# Altium PCB ImmPCB2.PCBDOC (part 2 of 4)
Units mm, origin at the board's own origin, x right, y up, seen from the top; angles counter-clockwise.
Board outline 140.04 x 97 mm, 4 copper layers (Top Layer, InternalPlane1, InternalPlane2, Bottom Layer); 374 components, 334 nets, 1652 pads, 438 vias.
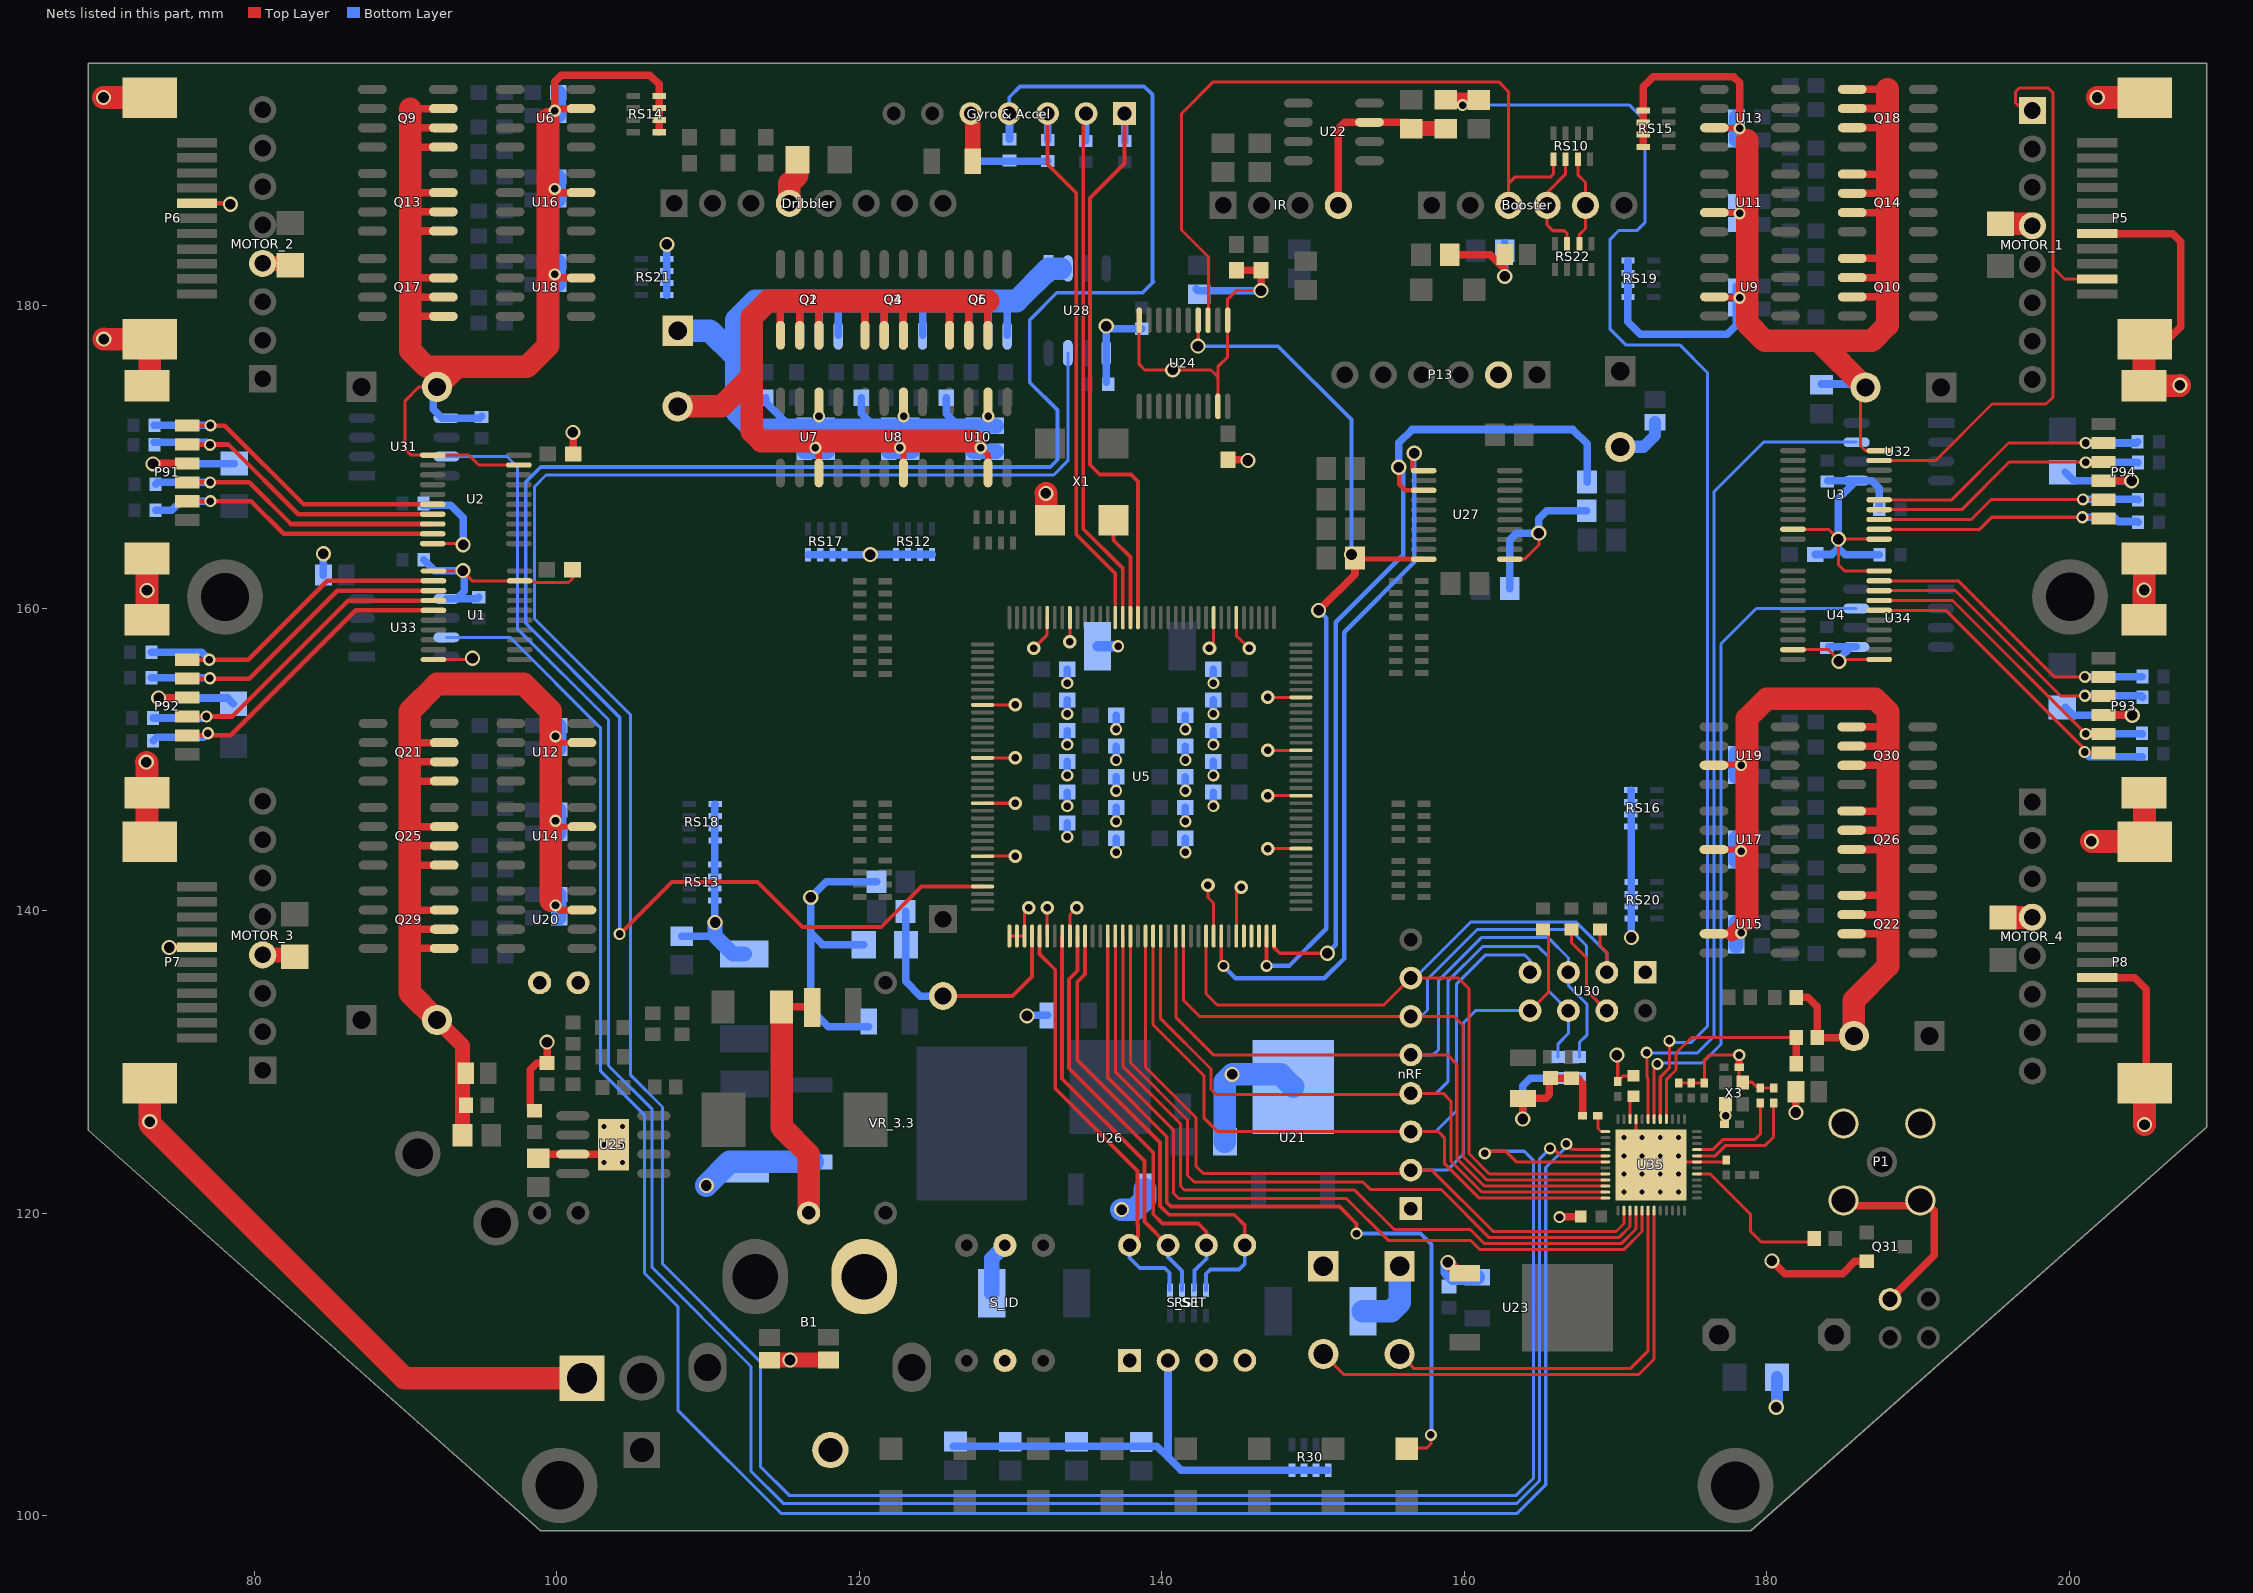
[diagram p4: the nets of this part, all layers, seen from the top]

## Part data
B1: "Power Connector"
Booster P13: library part "Header 6", "Header, 6-Pin"
C1 C2 C3 C5 C6 C7 C9 C63 C65 C66 C67 C68 C69 C70 C71 C72 C81 C110 C120 C125 C130 C_IR: library part CAP, "Capacitor"
C4 C8 C124: library part C0402-100n, "Capacitor, X7R, ±10%"
C10: library part C0603-1µ0, "Capacitor, X7R, ±10%"
C11 C12 C13 C14 C15 C16 C17 C18 C19 C20 C22 C23 C24 C25 C26 C27 C28 C29 C30 C31 C32 C33 C34 C35 C36 C37 C38 C39 C40 C41 C42 C43 C44 C45 C46 C47 C48 C49 C50 C51 C52 C53 C54 C55 C56 C57 C58 C59 C60 C61 C62 C64 C73 C74 C75 C76 C77 C78 C79 C86 C94 C95 C96 C97 C98 C99 C100 C101 C111 C112 C113 C114 C115 C116 C117 C118 C119 C121: library part "Cap Semi", "Capacitor (Semiconductor SIM Model)"
C21: library part C_Dup1
C80 C_1 C_16 C_17 C_19: library part "Cap Pol3", "Polarized Capacitor (Surface Mount)"
C82 C85 C87: library part C0603, "C0603"
C83 C84: library part C1206, "C1206"
C88 C90: library part C, "Cap , SMD"
C89 C91 C92: library part "Cap 0603", "C0603"
C93: library part "Cap 0603", "Cap SMD 0603"
C102 C103 C104 C107: library part C0402-12p, "Capacitor, NP0, ±2%"
C106: library part C0603-4µ7, "Capacitor, X5R, ±10%"
C109: library part C0402-100p, "Capacitor, NP0, ±5%"
C122: library part C0402-N.C., "Not mounted"
C123: library part C0402-0.8p, "Capacitor, NP0, ±5%"
C126 C_DRIBBLER C_M1 C_M2 C_M3 C_M4: library part "Cap Pol1", "Polarized Capacitor (Radial)"
D1 D2 D21 D24 D_D_1 D_D_2 D_D_3 D_D_4 D_Done: library part LED2, "Typical RED, GREEN, YELLOW, AMBER GaAs LED"
D3: library part "Diode SSB44", "1 Amp General Purpose Rectifier"
D4: library part "LED 0603", "LED ,SMD ,0603"
D_correction: library part "Diode 1N4001", "1 Amp General Purpose Rectifier"
Dribbler MOTOR_1 MOTOR_2 MOTOR_3 MOTOR_4: library part "8pin XH"
"Gyro & Accel": library part Gyroscope, "Comp & Gyro"
IR: library part "Header 4", "Header, 4-Pin"
L2: library part "7447714220 WE-PD SMD"
L11: library part L0402-3n9, "High frequency chip inductor ±5%"
MikonaPOW: library part "Header 2", "Right Angle 3.96mm Power pin"
nRF: library part "Header 8", "Header, 8-Pin"
P4: library part Rocker_SW, "I/O Power Switch"
P5 P6 P7 P8: "11-pin Bottom Contact 30W Motor connector"
Q1 Q3 Q5 Q7 Q8 Q11 Q12 Q15 Q16 Q19 Q20 Q23 Q24 Q27 Q28: library part IRF7204, "HEXFET Power MOSFET"
Q2 Q4 Q6 Q9 Q10 Q13 Q14 Q17 Q18 Q21 Q22 Q25 Q26 Q29 Q30: library part IRF7201, "HEXFET Power MOSFET"
Q31: library part MMBT2222ALT1, "Transistor NPN Silicon,SMD"
R1 R2 R21 R24: library part Res2, "Resistor"
R2.5 R10 R11 R12 R13 R14 R15 R16 R17 R18 R22 R26 R27 R31 R32 R33 R34 R40 R41 R42 R44 R47 R48 R49 R50 R51 R52 R55 R59 R60 R61 R62 R65 R66 R67 R68 R71 R72 R73 R74 R77 R78 R79 R80 R83 R84 R85 R86 R89 R90 R91 R92 R93 R127 R128 R129 R130 R135 R136 R137 R138 R139 R140 R141 R142 R143 R144 R145 R146 R147 R149 R150 R155 R156 R157 R158 R159 R333 R341 R342 R343 R345 R346 R_done_led: library part "Res Semi", "Semiconductor Resistor"
R3 R4 R5 R6 R7: library part "Res 0603", "Res 0603"
R8 R9 R19 R20 R23 R25: library part R0603, "Res 0603"
R30: library part "RES 0603x4", "Array resistors"
R122 R(rst): library part Res1, "Resistor"
RS1 RS2 RS3 RS4 RS5 RS6 RS7 RS8 RS9 RS10 RS11 RS12 RS13 RS14 RS15 RS16 RS17 RS18 RS19 RS20 RS21 RS22: library part "Resister Array", "Resistor Array ,SMD"
RST_CAP_1: library part Cap, "Capacitor"
S4 S_D_1 S_D_2: "Switch"
S_ID: library part "Rotary Switch", "Rotary Switch"
S_SET: "DIP Switch"
TP1 TP2 TP4 TP5: "Test Point"
U1 U2 U3 U4 U24: "Octal Buffer/Driver with 3-State Outputs"
U5: "Spartan-3 1.2V FPGA, 97 User I/Os, 144-Pin TQFP, High Performance, Commercial Grade"
U6 U7 U8 U9 U10 U11 U12 U13 U14 U15 U16 U17 U18 U19 U20 U22: library part MAX4427CSA, "Dual High-Speed 1.5A MOSFET Driver"
U21 U26: "500mA, Very Low Drop (0.45V) Voltage Regulator"
U23: library part LD1086, "LD1086DT33 DPAK"
U25: "DC\DC Regulator"
U27: "XCF00S Series, Platform Flash In-System Programmable Configuration 3.3V PROM, 20-Pin TSOP, 4-Megabit, Commercial Grade"
U29: library part my_Buzzer
U35: "Multi-protocol Bluetooth Low Energy, ANT and 2.4GHz proprietary system-on-chip"
VR_3.3: library part LT1585ACM-1.5, "5A Low Dropout Fast Response Positive Fixed Voltage Regulator"
X1: library part QSMO_4200, "QSMO - 4200 SERIES, 40MHz, SURFACE MOUNT CRYSTAL OSCILLATOR"
X3: library part XTAL_SMD2016_32MHz_8pF_General, "XTAL SMD 2016, 32MHz, Cl=8pF, Total Tol: ±40ppm"

## Free pads (board coordinates)
  round 5 hole 3.2: 2(78.08,160.73) 2(100.21,102) 2(177.93,101.99) 2(200.05,160.74)
  round 1.524 hole 0.9: 3(98.882,135.232) 4(101.422,135.232) 5(98.882,120.012) 6(101.422,120.012) 7(116.662,120.012) 8(121.742,120.012) 9(121.742,135.232)

## Via types
v1: diameter 0.8, hole 0.5, Top Layer to Bottom Layer, tented both sides, 205 vias
v2: diameter 1, hole 0.7, Top Layer to Bottom Layer, tented both sides, 103 vias
v3: diameter 1, hole 0.5, Top Layer to Bottom Layer, tented both sides, 60 vias
v4: diameter 0.9, hole 0.5, Top Layer to Bottom Layer, tented both sides, 38 vias
v5: diameter 0.66, hole 0.33, Top Layer to Bottom Layer, tented both sides, 22 vias
v6: diameter 1.5, hole 1, Top Layer to Bottom Layer, tented both sides, 5 vias
v7: diameter 1, hole 0.711, Top Layer to Bottom Layer, tented both sides, 5 vias

## Nets (pads, with @x,y where several pads share a name; then routed paths per layer and width w, separated by ;. In a path a pad name is that pad's centre, name@x,y a point inside that pad or via, vN(x,y) a via of type N, cw(c..) or ccw(c..) an arc to the next point about the centre after c; other vN are vias at no path point)
BOOSTER_READY: Booster.3 RS10.8 U24.3 | length 48.9
  Top Layer w0.2: U24.3@143.09,179.03 143.09,183.21 141.31,184.99 141.31,192.68 143.41,194.78 162.28,194.78 162.942,194.118 162.942,188.082 ; Booster.3@162.942,186.62 162.942,188.082 ; RS10.8@165.91,189.669 165.91,188.7 165.69,188.48 163.34,188.48 162.942,188.082
BT-ADC: R19.1 R20.2 U35.40 | length 14.7
  Top Layer w0.2: U35.40@173.36,126.215 173.36,128.82 174,129.46 174,130.58 175.02,131.6 R20.2@181.94,131.6
  Top Layer w0.5: R19.1@181.94,129.87 R20.2@181.94,131.6
BTN1: S_D_1.2 U35.18 | length 26.6
  Top Layer w0.2: S_D_1.2@155.73,110.69 156.7,109.72 170.97,109.72 172.16,110.91 U35.18@172.16,120.165
BTN2: S_D_2.2 U35.19 | length 32.7
  Top Layer w0.2: S_D_2.2@150.69,110.69 152.06,109.32 171.52,109.32 172.56,110.36 U35.19@172.56,120.165
BUZZER: R23.2 U35.29 | length 10.2
  Top Layer w0.2: U35.29@175.385,122.59 176.273,122.59 178.93,119.933 178.93,118.81 179.66,118.08 R23.2@183.1,118.08
CAP_ADC: R26.1 R27.1 U35.41 | length 89.2
  Top Layer w0.2: U35.41@172.96,126.215 172.96,128.98 172.96,128.986 173.56,129.586 v1@173.56,131.31
  Top Layer w1: R27.1@158.78,193.58 R26.1@160.96,193.58
  Bottom Layer w0.2: v1(159.89,193.24) 170.94,193.24 171.94,192.24 171.94,185.47 171.44,184.97 170.24,184.97 169.65,184.38 169.65,178.42 170.67,177.4 174.24,177.4 176.07,175.57 176.07,132.33 175.03,131.29 v1@173.56,131.29
  other v1: 173.56,131.38
CCLK: R31.1 U5.72 U27.3 | length 59
  Top Layer w0.25: U5.72@147.434,138.319 147.434,137.552 147.806,137.18 v2(150.96,137.18)
  Top Layer w0.3: v2@155.7,169.31 155.7,168.18 156.099,167.781 U27.3@157.318,167.781
  Bottom Layer w0.3: v2(150.96,137.18) 151.51,137.73 151.51,159.07 155.96,163.52 155.96,169.019 v2(155.67,169.31)
  Bottom Layer w0.5: v2(155.67,169.31) 155.67,170.92 156.55,171.8 167.18,171.8 168.12,170.86 R31.1@168.12,168.33
CHARGE_PULSE: Booster.4 RS10.6 RS22.4 | length 7.1
  Top Layer w0.2: RS10.6@166.71,189.669 166.71,188.7 165.482,187.472 Booster.4@165.482,186.62 165.482,185.318 165.86,184.94 166.63,184.94 166.81,184.76 RS22.4@166.81,184.081
CHIP_PULSE: Booster.5 RS10.4 RS22.6 | length 6
  Top Layer w0.2: RS10.4@167.51,189.669 167.51,188.64 168.022,188.128 Booster.5@168.022,186.62 168.022,185.092 167.61,184.68 RS22.6@167.61,184.081
CLK: U5.128 X1.3 | length 8
  Top Layer w0.25: X1.3@136.034,165.018 136.734,165.718 X1.3@136.816,165.8 136.816,164.484 137.934,163.366 U5.128@137.934,159.369
CUR_M1: U32.7 U35.43 | length 56
  Top Layer w0.2: v1@172.11,130.53 172.07,130.49 172.07,128.99 172.16,128.9 U35.43@172.16,126.215
  Bottom Layer w0.2: v1@172.12,130.53 172.16,130.57 175.39,130.57 176.52,131.7 176.52,167.69 179.79,170.96 U32.7@185.93,170.96
  other v1: 172.06,130.61
CUR_M2: U31.7 U35.5 | length 157.5
  Top Layer w0.2: v1(165.67,124.28) 165.89,124.28 166.38,123.79 U35.5@169.335,123.79
  Bottom Layer w0.2: U31.7@92.73,170.01 96.72,170.01 97.41,169.32 97.41,158.63 103.43,152.61 103.43,129.75 106.32,126.86 106.32,116.4 112.86,109.86 112.86,102.94 115.01,100.79 163.46,100.79 164.99,102.32 164.99,123.6 v1(165.67,124.28)
CUR_M3: U33.7 U35.4 | length 146.7
  Top Layer w0.2: v1(166.76,124.58) 167.15,124.19 U35.4@169.335,124.19
  Bottom Layer w0.2: U33.7@92.73,158.06 96.92,158.06 102.89,152.09 102.89,129.41 105.8,126.5 105.8,116.04 108.02,113.82 108.02,106.96 114.83,100.15 163.5,100.15 165.39,102.04 165.39,123.01 166.76,124.38 v1(166.76,124.58)
CUR_M4: U34.7 U35.42 | length 44.8
  Top Layer w0.2: U35.42@172.56,126.215 172.56,129.57 v1@172.86,129.87
  Bottom Layer w0.2: v1@172.87,129.92 175.73,129.92 176.97,131.16 176.97,157.63 179.31,159.97 U34.7@185.91,159.97
  other v1: 172.77,129.87
CUR_MD: U28.7 U35.6 | length 199.2
  Top Layer w0.2: v1@161.53,124.09 162.74,124.09 163.44,123.39 U35.6@169.335,123.39
  Bottom Layer w0.2: U28.7@133.8,176.85 133.8,169.73 132.86,168.79 99.3,168.79 98.55,168.04 98.55,159.28 104.9,152.93 104.9,129.12 107,127.02 107,116.65 113.47,110.18 113.47,103.25 115.38,101.34 163.444,101.34 164.59,102.486 164.59,123.47 163.97,124.09 161.53,124.09 v1@161.28,123.84
  other v1: 161.36,123.95
D_IO1: R(rst).2 RST_CAP_1.2 S4.2 U5.40 | length 16.6
  Top Layer w0.25: S4.2@125.55,134.35 130.14,134.35 131.434,135.644 U5.40@131.434,138.319
  Bottom Layer w0.5: 123.07,139.94 123.07,135.33 124.05,134.35 S4.2@125.55,134.35
D_IO2: RS1.8 S_SET.8 U5.41 | length 28.4
  Top Layer w0.25: U5.41@131.934,138.319 131.934,137.126 132.97,136.09 132.97,128.23 138.41,122.79 138.41,119.254 138.44,119.224 138.44,118.44 S_SET.8@137.88,117.88
  Bottom Layer w0.25: S_SET.8@137.88,117.88 137.88,117.05 138.55,116.38 140.2,116.38 140.52,116.06 140.52,114.931 RS1.8@140.54,114.911
D_IO3: RS1.6 S_SET.7 U5.44 | length 26.7
  Top Layer w0.25: U5.44@133.434,138.319 133.42,138.305 133.42,128.88 138.86,123.44 138.86,119.44 S_SET.7@140.42,117.88
  Bottom Layer w0.25: S_SET.7@140.42,117.88 140.42,117.1 141.34,116.18 RS1.6@141.34,114.911
D_IO4: RS1.4 S_SET.6 U5.46 | length 29.1
  Top Layer w0.25: U5.46@134.434,138.319 134.434,136.024 133.87,135.46 133.87,129.58 139.44,124.01 139.44,119.93 140.06,119.31 142.42,119.31 142.96,118.77 S_SET.6@142.96,117.88
  Bottom Layer w0.25: RS1.4@142.14,114.911 142.18,114.951 142.18,116.2 142.96,116.98 S_SET.6@142.96,117.88
D_IO5: RS1.2 S_SET.5 U5.47 | length 32.9
  Top Layer w0.25: U5.47@134.934,138.319 134.934,135.794 134.42,135.28 134.42,130.13 139.89,124.66 139.89,120.48 140.48,119.89 144.8,119.89 145.5,119.19 S_SET.5@145.5,117.88
  Bottom Layer w0.25: RS1.2@142.94,114.911 142.94,115.99 143.23,116.28 145.12,116.28 145.5,116.66 S_SET.5@145.5,117.88
D_IO6: D_D_4.1 U5.50 | length 53.2
  Top Layer w0.2: D_D_4.1@156.2,104.46 157.51,104.46 157.8,104.75 v1(157.8,105.34)
  Top Layer w0.25: U5.50@136.434,138.319 136.434,128.956 140.34,125.05 140.34,120.7 140.61,120.43 151.75,120.43 152.88,119.3 v1(152.88,118.65)
  Bottom Layer w0.25: v1(152.88,118.65) 157.11,118.65 157.84,117.92 157.84,105.35 v1@157.82,105.33
D_IO7: U5.51 U35.17 | length 53
  Top Layer w0.2: U5.51@136.934,138.319 136.934,129.336 140.79,125.48 140.79,121.3 141.11,120.98 152.19,120.98 154.97,118.2 160.42,118.2 161.04,117.58 170.551,117.58 171.76,118.789 U35.17@171.76,120.165
D_IO8: U5.52 U35.16 | length 51.4
  Top Layer w0.2: U5.52@137.434,138.319 137.434,129.716 141.24,125.91 141.24,121.79 141.51,121.52 152.77,121.52 155.37,118.92 160.4,118.92 161.34,117.98 170.386,117.98 171.36,118.954 U35.16@171.36,120.165
D_IO9: U5.53 U35.15 | length 49.7
  Top Layer w0.2: U5.53@137.934,138.319 137.934,129.936 141.71,126.16 141.71,122.49 142.15,122.05 153.3,122.05 153.78,121.57 158.46,121.57 161.65,118.38 170.22,118.38 170.96,119.12 U35.15@170.96,120.165
D_IO10: nRF.2 R127.2 U5.55 U30.8 U35.14 | length 71.3
  Top Layer w0.2: U5.55@138.934,138.319 138.934,129.646 142.26,126.32 142.26,123.11 142.75,122.62 156.25,122.62 nRF.2@156.47,122.84 157.86,122.84 161.92,118.78 170.03,118.78 170.56,119.31 U35.14@170.56,120.165 ; U30.8@164.35,133.38 165.57,134.6 165.57,138.38 R127.2@165.21,138.74
  Bottom Layer w0.2: nRF.2@156.47,122.84 158.88,122.84 159.96,123.92 159.96,132.59 160.75,133.38 U30.8@164.35,133.38
D_IO11: nRF.3 U5.56 U30.7 U35.12 | length 61.7
  Top Layer w0.2: U5.56@139.434,138.319 139.434,132.456 142.79,129.1 142.79,126.3 143.71,125.38 nRF.3@156.47,125.38 158.3,125.38 158.69,124.99 158.69,123.3 161,120.99 U35.12@169.335,120.99
  Bottom Layer w0.2: nRF.3@156.47,125.38 158.1,125.38 159.5,126.78 159.5,135.16 161.39,137.05 164.02,137.05 164.35,136.72 U30.7@164.35,135.92
D_IO12: nRF.4 R156.1 U5.57 U30.6 U35.11 | length 67.5
  Top Layer w0.2: U5.57@139.934,138.319 139.934,132.856 143.26,129.53 143.26,128.17 143.58,127.85 156.4,127.85 nRF.4@156.47,127.92 158.61,127.92 159.113,127.417 159.113,123.443 161.166,121.39 U35.11@169.335,121.39
  Bottom Layer w0.2: nRF.4@156.47,127.92 158.16,127.92 158.92,128.68 158.92,135.32 161.24,137.64 164.87,137.64 165.57,136.94 165.57,134.69 166.88,133.38 166.88,131.87 166.208,131.198 R156.1@166.208,130.33
D_IO13: nRF.5 R157.1 U5.59 U30.5 U35.10 | length 66.2
  Top Layer w0.2: U5.59@140.934,138.319 140.934,132.946 143.42,130.46 nRF.5@156.47,130.46 158.89,130.46 159.513,129.837 159.513,123.609 161.331,121.79 U35.10@169.335,121.79
  Bottom Layer w0.2: nRF.5@156.47,130.46 157.96,130.46 158.31,130.81 158.31,135.39 161.13,138.21 165.55,138.21 166.89,136.87 U30.5@166.89,135.92 166.89,135.03 168.13,133.79 168.13,131.8 167.608,131.278 R157.1@167.608,130.32
D_IO14: nRF.6 R158.2 U5.60 U30.4 U35.9 | length 68.9
  Top Layer w0.2: U5.60@141.434,138.319 141.434,134.086 142.52,133 nRF.6@156.47,133 159.35,133 159.913,132.437 159.913,123.774 161.497,122.19 U35.9@169.335,122.19 ; R158.2@167.095,138.74 167.095,137.875 168.09,136.88 168.09,134.72 U30.4@169.43,133.38
  Bottom Layer w0.2: nRF.6@156.47,133 157.14,133 157.57,133.43 157.57,135.46 160.85,138.74 167.02,138.74 168.09,137.67 168.09,134.72 U30.4@169.43,133.38
D_IO15: U5.68
D_IO15_1: nRF.7 R128.2 U5.63 U30.3 U35.8 | length 62.6
  Top Layer w0.2: U5.63@142.934,138.319 142.934,134.506 143.68,133.76 154.69,133.76 nRF.7@156.47,135.54 159.6,135.54 160.313,134.827 160.313,123.94 161.663,122.59 U35.8@169.335,122.59 ; R128.2@168.98,138.74 168.98,137.69 169.43,137.24 U30.3@169.43,135.92
  Bottom Layer w0.2: nRF.7@156.47,135.54 156.73,135.54 160.42,139.23 167.41,139.23 169.43,137.21 U30.3@169.43,135.92
D_IO17: U5.69
D_IO18: U5.70
DEC1: C4.1 U35.1 | length 1.4
  Top Layer w0.2: C4.1@168.84,126.44 168.84,125.59 169.04,125.39 U35.1@169.335,125.39
DEC2: C122.2 U35.32 | length 7.8
  Top Layer w0.2: U35.32@175.385,123.79 176.597,123.79 177.287,124.48 179.91,124.48 180.46,125.03 180.46,127.27 C122.2@180.47,127.28
DEC3: C109.1 U35.33 | length 6.7
  Top Layer w0.2: U35.33@175.385,124.19 176.431,124.19 177.121,124.88 179.23,124.88 179.59,125.24 179.59,127.26 C109.1@179.58,127.27
DEC4: C10.2 U35.46 | length 1.6
  Top Layer w0.2: U35.46@170.96,126.215 170.96,127.615 C10.2@171.07,127.725
DIN: U5.65 U27.1 | length 47.9
  Top Layer w0.25: U5.65@143.934,138.319 143.934,136.496 v1(144.09,136.34)
  Top Layer w0.3: v2@156.56,170.09 156.56,169.692 156.57,169.682 156.57,169.21 156.71,169.07 U27.1@157.29,169.07
  Bottom Layer w0.3: v1@144.09,136.32 144.88,135.53 150.76,135.53 152.06,136.83 152.06,158.4 156.7,163.04 v2(156.7,170.23)
DONE: R34.2 U5.71 U24.4 U27.10 | length 60.3
  Top Layer w0.25: v2@142.415,177.325 U24.4@142.415,179.03 ; v1@146.934,136.326 U5.71@146.934,138.319 ; v2(152.55,163.536) R34.2@152.782,163.304
  Top Layer w0.3: R34.2@152.782,163.24 U27.10@157.28,163.24
  Top Layer w0.5: v2(150.38,159.84) 152.782,162.242 152.782,163.24 R34.2@152.782,163.304
  Bottom Layer w0.25: v2(142.4,177.31) 147.7,177.31 152.55,172.46 v2(152.55,163.536)
  Bottom Layer w0.3: v1(146.94,136.34) 148.42,136.34 150.88,138.8 150.88,159.34 v2(150.38,159.84)
DR_12: C19.2 C22.2 C26.2 C27.2 C28.2 C29.2 C_DRIBBLER.1 Q1.1 Q1.2 Q1.3 Q3.1 Q3.2 Q3.3 Q5.1 Q5.2 Q5.3 R129.1 R130.1 R135.1 U7.6 U8.6 U10.6 U28.1 U28.2 | length 78.4
  Bottom Layer w0.5: R129.1@113.83,173.894 113.83,173.596 115.388,172.038 ; Q1.3@116.081,178.031 116.081,180.3 ; Q1.2@117.349,178.031 117.349,180.3 ; Q1.1@118.619,178.031 118.619,180.3 ; R130.1@120.144,173.894 120.144,172.862 120.968,172.038 ; Q3.3@121.659,178.031 121.659,180.3 ; Q3.2@122.927,178.031 122.927,180.3 ; Q3.1@124.197,178.031 124.197,180.3 ; R135.1@125.762,173.894 125.762,172.834 126.558,172.038 ; Q5.3@127.253,178.031 127.253,180.3 ; Q5.2@128.521,178.031 128.521,180.3 ; Q5.1@129.791,178.031 129.791,180.3
  Bottom Layer w1: 112.832,172.038 C29.2@129.07,172.038
  Bottom Layer w1.5: C_DRIBBLER.1@108.01,178.33 110.13,178.33 111.87,176.59 ; 112.832,172.038 111.87,173 111.87,176.59 ; 133.33,182.43 132.54,182.43 130.41,180.3 129.791,180.3 128.521,180.3 127.253,180.3 124.197,180.3 122.927,180.3 121.659,180.3 118.619,180.3 117.349,180.3 116.081,180.3 113.13,180.3 111.87,179.04 111.87,176.59
  other v1: 117.35,172.68 122.94,172.68 128.54,172.68
ENC1_CH_A: C97.2 P94.3 U3.4 | length 19.6
  Top Layer w0.2: U3.4@187.43,166.505 192.895,166.505 196.05,169.66 P94.3@202.27,169.66
  Bottom Layer w0.5: v1(201.09,169.63) 204.52,169.63 C97.2@204.53,169.62
ENC1_CH_B: C95.2 P94.6 U3.2 | length 19
  Top Layer w0.2: U3.2@187.43,165.205 194.075,165.205 194.87,166 v1(200.87,166) 202.18,166 P94.6@202.27,165.91
  Bottom Layer w0.5: v1(200.87,166) 202.97,166 203.25,165.72 204.5,165.72 C95.2@204.54,165.68
ENC1_CH_INV_A: P94.2 R13.1 U3.5 | length 19.9
  Top Layer w0.2: U3.5@187.43,167.155 192.225,167.155 195.98,170.91 v1(201.09,170.91) P94.2@202.27,170.91
  Bottom Layer w0.5: v1(201.09,170.91) 204.43,170.91 R13.1@204.52,171
ENC1_CH_INV_B: P94.5 R11.1 U3.3 | length 19
  Top Layer w0.2: U3.3@187.43,165.855 193.515,165.855 194.82,167.16 P94.5@202.27,167.16
  Bottom Layer w0.5: v1(200.9,167.18) 204.52,167.18 R11.1@204.55,167.15
ENC2_CH_A: C100.2 P91.3 U2.8 | length 21
  Top Layer w0.3: P91.3@75.59,168.31 v1(77.1,168.31) 79.69,168.31 82.445,165.555 U2.8@91.81,165.555
  Bottom Layer w0.5: C100.2@73.49,168.19 73.61,168.31 v1(77.1,168.31)
ENC2_CH_B: C98.2 P91.6 U2.6 | length 22.1
  Top Layer w0.3: P91.6@75.59,172.06 78.07,172.06 83.275,166.855 U2.6@91.81,166.855
  Bottom Layer w0.5: C98.2@73.42,172.07 v1(77.11,172.07)
ENC2_CH_INV_A: P91.2 R16.1 U2.9 | length 21
  Top Layer w0.3: P91.2@75.59,167.06 79.8,167.06 81.955,164.905 U2.9@91.81,164.905
  Bottom Layer w0.5: R16.1@73.49,166.46 74.57,166.46 75.18,167.07 v1(77.11,167.07)
ENC2_CH_INV_B: P91.5 R14.1 U2.7 | length 21.9
  Top Layer w0.3: P91.5@75.59,170.81 78.31,170.81 82.915,166.205 U2.7@91.81,166.205
  Bottom Layer w0.5: R14.1@73.42,170.97 76.9,170.97 v1(77.09,170.78)
ENC3_CH_A: C96.2 P92.3 U1.4 | length 23
  Top Layer w0.3: P92.3@75.59,152.83 v1(76.85,152.83) 78.57,152.83 86.235,160.495 U1.4@91.86,160.495
  Bottom Layer w0.5: C96.2@73.33,152.73 76.75,152.73 v1(76.85,152.83)
ENC3_CH_B: C94.2 P92.6 U1.2 | length 22.5
  Top Layer w0.3: P92.6@75.59,156.58 79.63,156.58 84.845,161.795 U1.2@91.86,161.795
  Bottom Layer w0.5: C94.2@73.21,157.08 76.54,157.08 v1(77.04,156.58)
ENC3_CH_INV_A: P92.2 R12.1 U1.5 | length 23.5
  Top Layer w0.3: P92.2@75.59,151.58 78.47,151.58 86.735,159.845 U1.5@91.86,159.845
  Bottom Layer w0.5: R12.1@73.33,151.22 73.57,151.46 76.69,151.46 v1(76.95,151.72)
ENC3_CH_INV_B: P92.5 R10.1 U1.3 | length 22.6
  Top Layer w0.3: P92.5@75.59,155.33 79.68,155.33 85.495,161.145 U1.3@91.86,161.145
  Bottom Layer w0.5: R10.1@73.21,155.4 77.04,155.4 v1(77.08,155.36)
ENC4_CH_A: C101.2 P93.3 U4.8 | length 21.6
  Top Layer w0.2: U4.8@187.43,161.145 192.475,161.145 199.44,154.18 P93.3@202.27,154.18
  Bottom Layer w0.5: v1(201.03,154.2) 204.75,154.2 C101.2@204.84,154.11
ENC4_CH_B: C99.2 P93.6 U4.6 | length 22.7
  Top Layer w0.2: U4.6@187.43,159.845 191.835,159.845 201.25,150.43 P93.6@202.27,150.43
  Bottom Layer w0.5: v1(201.01,150.48) 201.31,150.18 C99.2@204.81,150.18
ENC4_CH_INV_A: P93.2 R17.1 U4.9 | length 21.3
  Top Layer w0.2: U4.9@187.43,161.795 192.665,161.795 199.03,155.43 P93.2@202.27,155.43
  Bottom Layer w0.5: v1(201.03,155.45) 204.81,155.45 R17.1@204.83,155.47
ENC4_CH_INV_B: P93.5 R15.1 U4.7 | length 22.2
  Top Layer w0.2: U4.7@187.43,160.495 192.275,160.495 v1(201.09,151.68) P93.5@202.27,151.68
  Bottom Layer w0.5: v1(201.09,151.68) 204.8,151.68 R15.1@204.81,151.67
GND: "Gyro & Accel.5" B1.2 C1.2 C2.2 C3.2 C4.2 C5.2 C6.2 C7.2 C8.2 C9.2 C10.1 C11.1 C12.1 C13.1 C14.1 C15.1 C16.1 C17.1 C18.1 C19.1 C20.2 C21.2 C22.1 C23.1 C24.1 C25.1 C26.1 C27.1 C28.1 C29.1 C30.1 C31.1 C32.1 C33.1 C34.1 C35.1 C36.1 C37.1 C38.1 C39.1 C40.1 C41.1 C42.1 C43.1 C44.1 C45.1 C46.1 C47.1 C48.1 C49.1 C50.1 C51.1 C52.1 C53.1 C54.1 C55.1 C56.1 C57.1 C58.1 C59.1 C60.1 C61.1 C62.1 C63.2 C64.1 C65.2 C66.2 C67.2 C68.2 C69.2 C70.2 C71.2 C72.2 C73.1 C74.1 C75.1 C76.1 C77.1 C78.1 C79.1 C80.2 C81.2 C82.1 C83.1 C84.1 C85.1 C86.1 C87.1 C88.2 C89.2 C90.2 C102.2 C103.2 C104.2 C106.2 C107.2 C109.2 C110.2 C111.2 C112.2 C113.2 C114.2 C115.2 C116.2 C117.2 C118.2 C119.2 C120.2 C121.2 C122.1 C123.1 C124.2 C125.2 C126.2 C130.2 C_1.2 C_16.2 C_17.2 C_19.2 C_DRIBBLER.2 C_IR.2 C_M1.2 C_M2.2 C_M3.2 C_M4.2 D3.2 D4.2 D_correction.1 Dribbler.4 IR.4 MikonaPOW.1 MOTOR_1.4 MOTOR_2.4 MOTOR_3.4 MOTOR_4.4 nRF.1 P1.2 P5.5 P5.12 P6.5 P6.12 P7.5 P7.12 P8.5 P8.12 P13.2 P91.4 P91.SHD P92.4 P92.SHD P93.4 P93.SHD P94.4 P94.SHD pad.3 pad.4 pad.7 Q2.1 Q2.2 Q2.3 Q4.1 Q4.2 Q4.3 Q6.1 Q6.2 Q6.3 Q9.1 Q9.2 Q9.3 Q10.1 Q10.2 Q10.3 Q13.1 Q13.2 Q13.3 Q14.1 Q14.2 Q14.3 Q17.1 Q17.2 Q17.3 Q18.1 Q18.2 Q18.3 Q21.1 Q21.2 Q21.3 Q22.1 Q22.2 Q22.3 Q25.1 Q25.2 Q25.3 Q26.1 Q26.2 Q26.3 Q29.1 Q29.2 Q29.3 Q30.1 Q30.2 Q30.3 Q31.2 R1.2 R2.1 R2.5.1 R3.1 R7.1 R20.1 R21.1 R22.2 R24.1 R27.2 R30.2 R30.4 R30.6 R30.8 R93.1 R122.1 R155.2 R156.2 R157.2 R159.2 R346.1 R_done_led.1 RS12.2 RS12.4 RS12.6 RS12.8 RS13.2 RS13.4 RS13.6 RS13.8 RS14.2 RS14.4 RS14.6 RS14.8 RS15.2 RS15.4 RS15.6 RS15.8 RS16.1 RS16.3 RS16.5 RS16.7 RS17.1 RS17.3 RS17.5 RS17.7 RS18.2 RS18.4 RS18.6 RS18.8 RS19.2 RS19.4 RS19.6 RS19.8 RS20.1 RS20.3 RS20.5 RS20.7 RS21.1 RS21.3 RS21.5 RS21.7 RST_CAP_1.1 S_D_1.1 S_D_2.1 S_ID.2 S_ID.5 S_SET.1 S_SET.2 S_SET.3 S_SET.4 TP1.1 U1.1 U1.10 U1.19 U2.1 U2.10 U2.19 U3.1 U3.10 U3.19 U4.1 U4.10 U4.19 U5.9 U5.16 U5.22 U5.29 U5.37 U5.38 U5.39 U5.42 U5.45 U5.64 U5.67 U5.81 U5.88 U5.94 U5.101 U5.114 U5.117 U5.136 U5.139 U6.3 U7.3 U8.3 U9.3 U10.3 U11.3 U12.3 U13.3 U14.3 U15.3 U16.3 U17.3 U18.3 U19.3 U20.3 U21.4 U22.3 U23.1 U24.1 U24.10 U24.19 U25.7 U25.9 U26.1 U27.11 U28.5 U30.1 U31.5 U32.5 U33.5 U34.5 U35.31 U35.45 U35.49 VR_3.3.1 X1.2 X3.2 X3.4 | length 1018.2
  Top Layer w0.2: 91.182,175.712 91.41,175.94 ; U2.10@91.81,164.255 93.745,164.255 v2(93.82,164.18) ; U1.10@91.86,156.595 94.355,156.595 v2(94.44,156.68) ; U1.1@91.86,162.445 93.785,162.445 94.435,161.795 U1.19@97.56,161.795 98.425,161.795 98.54,161.68 100.79,161.68 101.05,161.94 C39.1@101.05,162.53 ; C_M2.2@92.1,174.62 90.9,174.62 89.99,173.71 89.99,170.5 90.385,170.105 U2.1@91.81,170.105 94.215,170.105 94.865,169.455 U2.19@97.51,169.455 ; U5.29@128.159,143.594 v4(130.32,143.594) ; U5.22@128.159,147.094 v4(130.32,147.094) ; U5.16@128.159,150.094 v4(130.32,150.094) ; U5.9@128.159,153.594 v4(130.32,153.594) ; U5.37@129.934,138.319 130.929,138.319 v4@130.93,140.18 ; v4(131.54,157.34) 132.434,158.234 U5.139@132.434,159.369 ; U5.42@132.434,138.319 v4(132.434,140.18) ; U5.45@133.934,138.319 133.934,139.734 v4(134.38,140.18) ; v4(133.934,157.76) U5.136@133.934,159.369 ; U24.10@138.515,179.03 138.515,176.115 138.89,175.74 v2(140.73,175.74) 143.255,175.74 143.715,175.28 ; v4(143.06,141.67) 143.06,140.87 143.434,140.496 U5.64@143.434,138.319 ; v4(143.16,157.34) 143.434,157.614 U5.117@143.434,159.369 ; U24.19@143.715,173.33 143.715,175.28 ; U5.67@144.934,138.319 144.934,141.204 v4(145.26,141.53) ; U5.114@144.934,159.369 144.934,158.186 v4(145.78,157.34) ; v2(146.57,180.98) 144.93,180.98 144.365,180.415 U24.1@144.365,179.03 144.365,176.595 143.715,175.945 143.715,175.28 ; v4(147.02,144.094) U5.81@149.209,144.094 ; v4@147.02,147.594 U5.88@149.209,147.594 ; v4@147.02,150.594 U5.94@149.209,150.594 ; v4(147.02,154.094) U5.101@149.209,154.094 ; U27.11@163.018,163.231 163.991,163.231 164.93,164.17 v2(164.93,164.95) ; v2(170.09,130.44) 170.15,130.38 C124.2@170.15,128.71 170.515,129.075 C10.1@171.07,129.075 ; U35.45@171.36,126.215 171.36,124.19 v5(171.76,123.79) U35.49@172.36,123.19 172.56,123.39 U35.31@175.385,123.39 177.19,123.39 C123.1@177.32,123.52 ; C104.2@174.17,128.6 175.84,128.6 175.87,128.57 175.87,130.12 176.19,130.44 v1(178.18,130.44) ; C107.2@177.08,126 177.265,126.185 X3.4@177.265,127.185 ; C102.2@178.18,129.64 178.18,128.87 X3.2@178.415,128.635 178.43,128.65 179.02,128.65 179.39,128.28 C122.1@180.47,128.28 ; U4.19@181.73,157.245 184.085,157.245 v2@184.735,156.595 ; U3.19@181.73,165.205 184.085,165.205 v2(184.735,164.555) ; v2@184.77,156.595 U4.1@187.43,156.595 ; C_M1.2@186.53,174.58 186.19,174.24 186.19,170.75 186.535,170.405 U3.10@187.43,170.405 ; U4.10@187.43,162.445 185.165,162.445 184.735,162.875 v2(184.735,164.555) ; U3.1@187.43,164.555 v2(184.735,164.555)
  Top Layer w0.3: P6.5@76.23,186.76 v2@78.44,186.76
  Top Layer w0.35: 99.751,151.101 U12.3@101.676,151.101 ; 99.755,145.545 U14.3@101.676,145.545
  Top Layer w0.4: U7.3@117.333,168.884 v1@117.333,170.598 ; U8.3@122.93,168.88 v1@122.93,170.62 ; v1(128.042,170.598) 128.52,170.12 U10.3@128.52,168.88 ; U9.3@176.48,180.54 v1@178.1,180.54 ; U11.3@176.48,186.13 v1@178.37,186.13 ; U13.3@176.484,191.727 177.883,191.727 178.71,190.9 ; U17.3@176.69,144.03 v1@178.26,144.03 ; U15.3@176.7,138.46 177.72,138.46 ; U19.3@176.7,149.64 177.84,149.64
  Top Layer w0.5: v2(72.923,161.17) v2@72.923,161.23 ; v2(73.32,169.53) 73.35,169.56 P91.4@75.59,169.56 ; v2(73.69,154.05) 73.72,154.08 P92.4@75.59,154.08 ; v2(74.4,137.56) 74.42,137.58 P7.5@76.23,137.58 ; 90.3,137.495 Q29.1@92.57,137.495 ; 90.3,138.765 Q29.2@92.57,138.765 ; 90.3,140.035 Q29.3@92.57,140.035 ; 90.3,143.005 Q25.1@92.57,143.005 ; 90.3,144.275 Q25.2@92.57,144.275 ; 90.3,145.545 Q25.3@92.57,145.545 ; 90.3,148.561 Q21.1@92.57,148.561 ; 90.3,149.831 Q21.2@92.57,149.831 ; 90.3,151.101 Q21.3@92.57,151.101 ; 90.33,179.285 Q17.1@92.52,179.285 ; 90.33,180.557 Q17.2@92.52,180.555 ; 90.33,181.827 Q17.3@92.52,181.825 ; 90.33,184.921 Q13.1@92.52,184.921 ; 90.33,186.193 Q13.2@92.52,186.191 ; 90.33,187.463 Q13.3@92.52,187.461 ; 90.33,190.471 Q9.1@92.52,190.473 ; 90.33,191.743 Q9.2@92.52,191.743 ; 90.33,193.013 Q9.3@92.52,193.013 ; R3.1@98.53,126.76 98.27,127.02 98.27,129.49 98.7,129.92 R7.1@99.37,129.92 v2(99.37,131.3) ; C88.2@99.062,123.895 U25.7@101.071,123.895 U25.9@103.115,123.895 ; 99.43,192.3 100.143,193.013 U6.3@101.626,193.013 ; 99.61,140.66 100.235,140.035 U20.3@101.676,140.035 ; v1@99.781,187.461 U16.3@101.626,187.461 ; v1@99.795,181.825 U18.3@101.626,181.825 ; v1(99.88,192.87) 99.88,194.78 100.32,195.22 106.17,195.22 106.781,194.609 RS14.2@106.781,193.85 RS14.4@106.781,193.05 RS14.6@106.781,192.25 RS14.8@106.781,191.45 ; v2(101.08,171.61) 101.11,171.58 C37.1@101.11,170.17 ; Q2.1@114.801,178.031 114.801,180.3 ; D3.2@114.885,133.63 116.87,133.63 C86.1@116.91,133.59 ; Q2.2@116.071,178.031 116.071,180.3 ; Q2.3@117.341,178.031 117.341,180.3 ; Q4.1@120.389,178.031 120.389,180.3 ; Q4.2@121.659,178.031 121.659,180.3 ; Q4.3@122.929,178.031 122.929,180.3 ; Q6.1@125.977,178.031 125.977,180.3 ; Q6.2@127.247,178.031 127.247,180.3 ; Q6.3@128.517,178.031 128.517,180.3 ; C38.1@144.38,169.81 145.64,169.81 v2(145.7,169.75) ; C64.1@144.94,182.33 R93.1@146.57,182.33 v2(146.57,180.98) ; IR.4@151.682,186.62 151.682,191.682 152.105,192.105 U22.3@153.74,192.105 R22.2@156.165,192.105 ; R_done_led.1@159.04,183.36 161.71,183.36 162.68,182.39 v2(162.68,181.92) ; v2(163.87,126.22) 163.88,126.23 C84.1@163.88,127.58 165.4,127.58 165.63,127.81 165.63,128.86 C87.1@165.7,128.93 165.71,128.92 C85.1@167.1,128.92 167.46,128.92 167.84,128.54 C4.2@167.84,126.44 ; v1(166.3,119.74) 166.33,119.77 C106.2@167.715,119.77 ; RS15.2@171.829,190.49 RS15.4@171.829,191.29 RS15.6@171.829,192.09 RS15.8@171.829,192.89 171.829,194.469 172.49,195.13 177.8,195.13 178.21,194.72 v1(178.21,191.71) ; C102.2@178.18,129.64 v1(178.18,130.44) ; v2(180.34,116.84) 181.18,116 185.01,116 185.83,116.82 Q31.2@186.62,116.82 ; v2(181.93,126.65) C68.2@181.93,128.02 ; D4.2@181.94,134.26 182.72,134.26 183.34,133.64 R20.1@183.34,131.6 185.66,131.6 C_M4.2@185.76,131.7 ; P1.2@185.07,121.05 185.64,120.48 189.58,120.48 190.15,121.05 191.06,120.14 191.06,117.213 TP1.1@188.15,114.303 ; Q22.3@185.616,138.467 188.02,138.467 ; Q22.2@185.616,139.737 188.02,139.737 ; Q22.1@185.616,141.007 188.02,141.007 ; Q26.3@185.616,144.037 188.02,144.037 ; Q26.2@185.616,145.307 188.02,145.307 ; Q26.1@185.616,146.577 188.02,146.577 ; Q30.3@185.616,149.601 188.02,149.601 ; Q30.2@185.616,150.871 188.02,150.871 ; Q30.1@185.616,152.141 188.02,152.141 ; Q10.3@185.646,180.573 187.98,180.573 ; Q10.2@185.646,181.843 187.98,181.843 ; Q10.1@185.646,183.113 187.98,183.113 ; Q14.3@185.646,186.143 187.98,186.143 ; Q14.2@185.646,187.413 187.98,187.413 ; Q14.1@185.646,188.683 187.98,188.683 ; Q18.3@185.646,191.751 187.98,191.751 ; Q18.2@185.646,193.021 187.98,193.021 ; Q18.1@185.646,194.291 187.98,194.291 ; P8.5@201.85,135.572 204.328,135.572 205.1,134.8 205.1,128.588 P8.12@204.973,128.588 ; P5.5@201.85,184.752 206.838,184.752 207.37,184.22 207.37,178.6 206.538,177.768 P5.12@204.973,177.768 ; P93.4@202.27,152.93 204.14,152.93 v2(204.16,152.91) ; P94.4@202.27,168.41 204.11,168.41 v2(204.12,168.4)
  Top Layer w0.8: v2(158.92,116.74) 159.63,116.03 U23.1@160.03,116.03
  Top Layer w1: MOTOR_3.4@80.57,137.07 82.57,137.07 C120.2@82.69,136.95 ; MOTOR_2.4@80.57,182.78 82.28,182.78 C110.2@82.4,182.66 ; C_M3.2@92.1,132.77 93.784,131.086 C90.2@93.784,125.143 ; C71.2@114.08,110.28 C70.2@117.96,110.28 ; 127.38,192.69 127.51,192.56 C125.2@127.51,189.53 ; R22.2@156.49,191.69 R27.2@158.77,191.69 ; 177.72,138.46 178.7,139.44
  Top Layer w1.5: v2(70.05,193.75) 70.056,193.744 P6.12@73.107,193.744 ; v2(70.07,177.78) 70.081,177.769 P6.12@73.107,177.769 73.107,174.884 P91.SHD@72.923,174.7 ; v2(72.88,149.81) 72.923,149.767 P92.SHD@72.923,147.79 72.923,144.748 P7.12@73.107,144.564 ; P92.SHD@72.923,159.22 v2(72.923,161.17) ; v2@72.923,161.23 P91.SHD@72.923,163.27 ; v2@73.107,125.913 89.93,109.09 MikonaPOW.1@101.68,109.09 ; P7.12@73.107,128.589 73.107,126.053 v2(73.11,126.05) ; 90.33,193.001 90.33,177.02 91.41,175.94 93.42,175.94 ; C_M3.2@92.1,132.77 90.3,134.57 90.3,137.495 90.3,138.765 90.3,140.035 90.3,143.005 90.3,144.275 90.3,145.545 90.3,148.561 90.3,149.831 90.3,151.101 90.3,153.18 92.1,154.98 97.83,154.98 99.61,153.2 99.61,140.66 ; C_M2.2@92.1,174.62 93.42,175.94 ; 99.43,192.3 99.43,177.34 98.03,175.94 93.42,175.94 ; C_DRIBBLER.2@108.01,173.33 110.9,173.33 112.91,175.34 ; D3.2@114.885,133.63 114.885,125.675 116.662,123.898 pad.7@116.662,120.012 ; Dribbler.4@115.39,186.75 115.39,188.07 115.92,188.6 C1.2@115.92,189.63 ; 127.6,171.04 113.54,171.04 112.91,171.67 112.91,175.34 ; 128.521,180.3 113.97,180.3 112.91,179.24 112.91,175.34 ; v2(132.35,167.58) 132.376,167.554 X1.2@132.376,165.77 ; 178.7,139.44 178.7,152.7 180.01,154.01 187.16,154.01 188.02,153.15 188.02,152.141 188.02,150.871 188.02,149.601 188.02,146.577 188.02,145.307 188.02,144.037 188.02,141.007 188.02,139.737 188.02,138.467 188.02,136.33 185.76,134.07 C_M4.2@185.76,131.7 ; 178.71,190.9 178.71,178.82 179.86,177.67 183.44,177.67 ; C_M1.2@186.53,174.58 183.44,177.67 ; 187.98,194.291 187.98,193.021 187.98,191.751 187.98,188.683 187.98,187.413 187.98,186.143 187.98,183.113 187.98,181.843 187.98,180.573 187.98,178.7 186.95,177.67 183.44,177.67 ; C130.2@195.46,185.4 197.425,185.4 MOTOR_1.4@197.56,185.265 ; C7.2@195.62,139.54 197.545,139.54 MOTOR_4.4@197.56,139.555 ; v2(201.46,144.58) 201.476,144.564 P8.12@204.973,144.564 204.973,147.754 P93.SHD@204.937,147.79 ; v2(201.85,193.75) 201.856,193.744 P5.12@204.973,193.744 ; P93.SHD@204.937,159.22 204.937,161.177 v2(204.95,161.19) 204.95,163.257 P94.SHD@204.937,163.27 ; v2(204.973,125.853) P8.12@204.973,128.588 ; P5.12@204.973,177.768 204.937,177.732 P94.SHD@204.937,174.7 207.28,174.7 v2(207.31,174.73)
  Bottom Layer w0.5: v2(73.32,169.53) 73.34,169.55 C3.2@78.69,169.55 ; v2(73.69,154.05) 78.26,154.05 C2.2@78.64,153.67 ; C69.2@84.59,162.18 v2(84.59,163.59) ; C113.2@91.19,166.78 93.01,166.78 93.82,165.97 v2(93.82,164.18) ; C117.2@91.22,163.19 91.94,162.47 v2(93.81,162.47) 93.9,162.38 93.9,161.1 U33.5@93.4,160.6 ; C_M2.2@92.1,174.62 91.85,174.37 91.85,173.15 92.45,172.55 U31.5@92.73,172.55 94.92,172.55 C115.2@95.04,172.67 ; U33.5@92.73,160.6 U33.5@93.4,160.6 ; C119.2@94.85,160.71 94.74,160.6 U33.5@93.4,160.6 ; v2@107.27,184.06 v2(107.291,184.039) RS21.1@107.291,183.08 RS21.3@107.291,182.28 RS21.5@107.291,181.48 RS21.7@107.291,180.68 ; C63.2@108.27,138.31 110.48,138.31 ; v2(110.48,139.21) 110.471,139.219 RS13.2@110.471,140.66 RS13.4@110.471,141.46 RS13.6@110.471,142.26 RS13.8@110.471,143.06 110.471,147.03 RS18.8@110.481,147.04 ; RS17.7@116.63,163.529 RS17.5@117.43,163.529 RS17.3@118.23,163.529 RS17.1@119.03,163.529 v2(120.74,163.53) ; RST_CAP_1.1@120.3,137.74 117.58,137.74 116.8,138.52 ; C20.2@120.65,132.31 117.96,132.31 116.8,133.47 116.8,138.52 ; v2(120.74,163.53) 120.749,163.539 RS12.2@122.43,163.539 RS12.4@123.23,163.539 RS12.6@124.03,163.539 RS12.8@124.83,163.539 ; R122.1@121.15,141.9 117.83,141.9 v2(116.8,140.87) 116.8,138.52 ; R1.2@126.22,104.6 139.68,104.6 140.42,103.86 ; 127.38,192.69 127.44,192.63 127.44,189.89 127.79,189.54 R159.2@132.48,189.54 ; v2(131.1,133.04) 131.13,133.07 C62.1@132.48,133.07 ; v1(133.756,144.874) C23.1@133.756,145.796 ; v1(133.756,146.906) C78.1@133.756,147.828 ; v1(133.756,148.938) C17.1@133.756,149.86 ; v1(133.756,150.97) C77.1@133.756,151.892 ; v1(133.756,153.002) C18.1@133.756,153.924 ; v1(133.756,155.034) C25.1@133.756,155.956 ; C112.2@136.34,174.92 U28.5@136.34,176.85 v2(136.34,178.64) 136.52,178.46 C111.2@138.69,178.46 ; v1(136.994,143.858) C35.1@136.994,144.78 ; v1(136.994,145.89) C34.1@136.994,146.812 ; v1(136.994,147.922) C75.1@136.994,148.844 ; v1(136.994,149.954) C36.1@136.994,150.876 ; v1(136.994,151.986) C33.1@136.994,152.908 ; S_SET.2@140.42,110.26 140.42,103.86 ; v1(141.566,143.858) C74.1@141.566,144.78 ; v1(141.566,145.89) C12.1@141.566,146.812 ; v1(141.566,147.922) C73.1@141.566,148.844 ; v1(141.566,149.954) C11.1@141.566,150.876 ; v1(141.566,151.986) C13.1@141.566,152.908 ; C_IR.2@142.28,181.09 142.39,180.98 v2(146.57,180.98) ; v1(143.422,146.906) C15.1@143.422,147.828 ; v1(143.422,148.938) C16.1@143.422,149.86 ; v1(143.422,150.97) C79.1@143.422,151.892 ; v1(143.422,153.002) C14.1@143.422,153.924 ; v1(143.422,155.034) C24.1@143.422,155.956 ; R30.8@151.01,103 R30.6@150.21,103 R30.4@149.41,103 R30.2@148.61,103 141.28,103 140.42,103.86 ; v2(162.68,181.92) 162.68,184.12 C21.2@162.69,184.13 ; C72.2@163,161.29 163,164.513 163.437,164.95 v2(164.93,164.95) 164.93,165.9 165.45,166.42 R346.1@168.11,166.42 ; v2(163.87,126.22) 163.87,128.42 164.37,128.92 R157.2@167.608,128.92 ; RS19.8@170.809,180.56 170.809,178.911 171.63,178.09 177.38,178.09 178.002,178.712 C40.1@178.002,179.758 C41.1@178.002,181.282 ; RS19.8@170.829,180.56 RS19.6@170.829,181.36 RS19.4@170.829,182.16 RS19.2@170.829,182.96 ; RS16.7@171.019,147.96 171.029,147.95 RS20.7@171.029,141.88 RS20.5@171.029,141.08 RS20.3@171.029,140.28 RS20.1@171.029,139.48 171.029,138.241 v2(171.05,138.22) ; C76.1@183.2,163.54 184.31,163.54 184.735,163.965 ; C65.2@183.62,174.81 186.3,174.81 C_M1.2@186.53,174.58 ; C116.2@184.05,168.42 U32.5@185.93,168.42 ; C121.2@184.1,157.43 U34.5@185.57,157.43 ; v2(184.77,156.47) 184.77,156.63 U34.5@185.57,157.43 ; U34.5@185.91,157.43 U34.5@185.57,157.43 ; C114.2@187.44,166.53 187.44,167.91 186.93,168.42 U32.5@185.93,168.42 ; C118.2@187.45,163.52 185.18,163.52 184.735,163.965 ; C6.2@199.73,153.43 200.25,152.91 v2(204.16,152.91) ; C9.2@199.73,168.98 200.31,168.4 v2(204.12,168.4) ; 184.735,163.965 v2(184.735,164.555) 184.735,167.225 U32.5@185.93,168.42
  Bottom Layer w0.7: C80.2@135.764,157.48 v1@137.114,157.48
  Bottom Layer w0.8: C126.2@170.32,170.66 171.86,170.66 172.62,171.42 C81.2@172.62,172.28 ; v2(180.63,107.17) 180.67,107.21 C5.2@180.67,109.15
  Bottom Layer w1: C46.1@100.12,181.384 C47.1@100.12,182.908 ; C42.1@100.12,186.972 C43.1@100.12,188.496 ; C32.1@100.12,192.56 C30.1@100.12,194.084 ; C58.1@100.17,139.526 C59.1@100.17,141.05 ; C55.1@100.17,145.114 C54.1@100.17,146.638 ; C50.1@100.17,150.702 C51.1@100.17,152.226 ; v2(110.48,139.21) 110.48,138.31 111.66,137.13 C_19.2@112.41,137.13 ; C22.1@116.37,170.338 C19.1@117.894,170.338 ; C26.1@121.958,170.338 C27.1@123.482,170.338 ; C28.1@127.546,170.338 C29.1@129.07,170.338 ; C_1.2@128.77,114.71 128.77,117 S_ID.5@129.64,117.87 ; v2(158.92,116.74) 158.92,116.11 159.27,115.76 C83.1@160.86,115.76 ; C52.1@177.972,137.678 C53.1@177.972,139.202 ; C56.1@177.972,143.266 C57.1@177.972,144.79 ; C61.1@177.972,148.854 C60.1@177.972,150.378 ; C48.1@178.002,190.934 C49.1@178.002,192.458
  Bottom Layer w1.5: v7@109.89,121.83 111.45,123.39 VR_3.3.1@116.94,123.39 ; v2(137.35,120.23) 138.21,120.23 138.895,120.915 U26.1@138.895,121.585 ; R2.5.1@144.18,124.71 144.18,128.69 v2(144.66,129.17) 147.865,129.17 U21.4@148.69,128.345 ; C_17.2@153.31,113.52 155.18,113.52 155.73,114.07 S_D_1.1@155.73,116.49
  other v1: 177.28,126.44 178.31,138.53 99.93,140.34 178.31,143.93 99.93,145.94 178.31,149.61 99.93,151.51 137.118,157.476 117.11,170.598 122.69,170.598 178.21,180.51 99.88,182.05 178.21,186.09 99.88,187.71
  other v2: 78.44,186.69
  other v4: 131.22,140.18 147.02,147.58 147.02,150.6
  other v5: 170.56,121.39 171.76,121.39 172.96,121.39 174.16,121.39 170.56,122.59 171.76,122.59 172.96,122.59 174.16,122.59 103.15,123.33 104.35,123.33 170.56,123.79 172.96,123.79 174.16,123.79 103.15,124.53 104.35,124.53 170.56,124.99 171.76,124.99 172.96,124.99 174.16,124.99 103.15,125.73 104.35,125.73
  other v7: 115.43,110.29 109.9,121.82
GYRO1: "Gyro & Accel.4" R155.1 U5.33 | length 140.4
  Top Layer w0.25: v1@104.185,138.435 104.185,138.445 107.63,141.89 113.28,141.89 116.25,138.92 121.46,138.92 124.134,141.594 U5.33@128.159,141.594
  Bottom Layer w0.25: v1(104.17,138.45) 104.17,152.78 97.96,158.99 97.96,168.34 98.95,169.33 132.64,169.33 133.11,169.8 133.11,173.08 131.28,174.91 131.28,179.05 133.07,180.84 138.73,180.84 139.46,181.57 139.39,181.64 139.39,193.94 138.85,194.48 130.63,194.48 129.92,193.77 129.92,192.69
  Bottom Layer w0.5: 129.92,192.69 129.94,192.67 R155.1@129.94,190.99
GYRO2: "Gyro & Accel.3" R159.1 U5.130 | length 36.9
  Top Layer w0.175: U5.130@136.934,159.369 136.934,160.244
  Top Layer w0.25: 132.46,192.69 132.46,189.33 134.36,187.43 134.36,164.85 136.934,162.276 136.934,160.244
  Bottom Layer w0.5: 132.46,192.69 132.48,192.67 R159.1@132.48,190.94
GYRO3: "Gyro & Accel.2" R149.2 U5.129 | length 36.3
  Top Layer w0.175: U5.129@137.434,159.369 137.434,160.244
  Top Layer w0.25: 135,192.69 134.81,192.5 134.81,165.244 137.434,162.62 137.434,160.244
  Bottom Layer w0.5: R149.2@134.99,190.88 134.99,192.68 135,192.69
GYRO4: "Gyro & Accel.1" R150.2 U5.127 | length 38.6
  Top Layer w0.25: 137.54,192.69 137.54,189.39 135.26,187.11 135.26,169.47 135.91,168.82 137.98,168.82 138.434,168.366 U5.127@138.434,159.369
  Bottom Layer w0.5: 137.54,192.69 137.56,192.67 R150.2@137.56,190.87
H1_1: MOTOR_1.1 P5.2 U3.9 | length 41.3
  Top Layer w0.2: U3.9@187.43,169.755 191.165,169.755 194.89,173.48 198.46,173.48 198.93,173.95 198.93,182.51 ; MOTOR_1.1@197.56,192.885 196.975,192.885 196.45,193.41 196.45,194.12 196.7,194.37 198.61,194.37 198.93,194.05 198.93,182.51 ; P5.2@201.85,181.752 199.688,181.752 198.93,182.51